# KiCad board SweetBusinessRGBCore.kicad_pcb
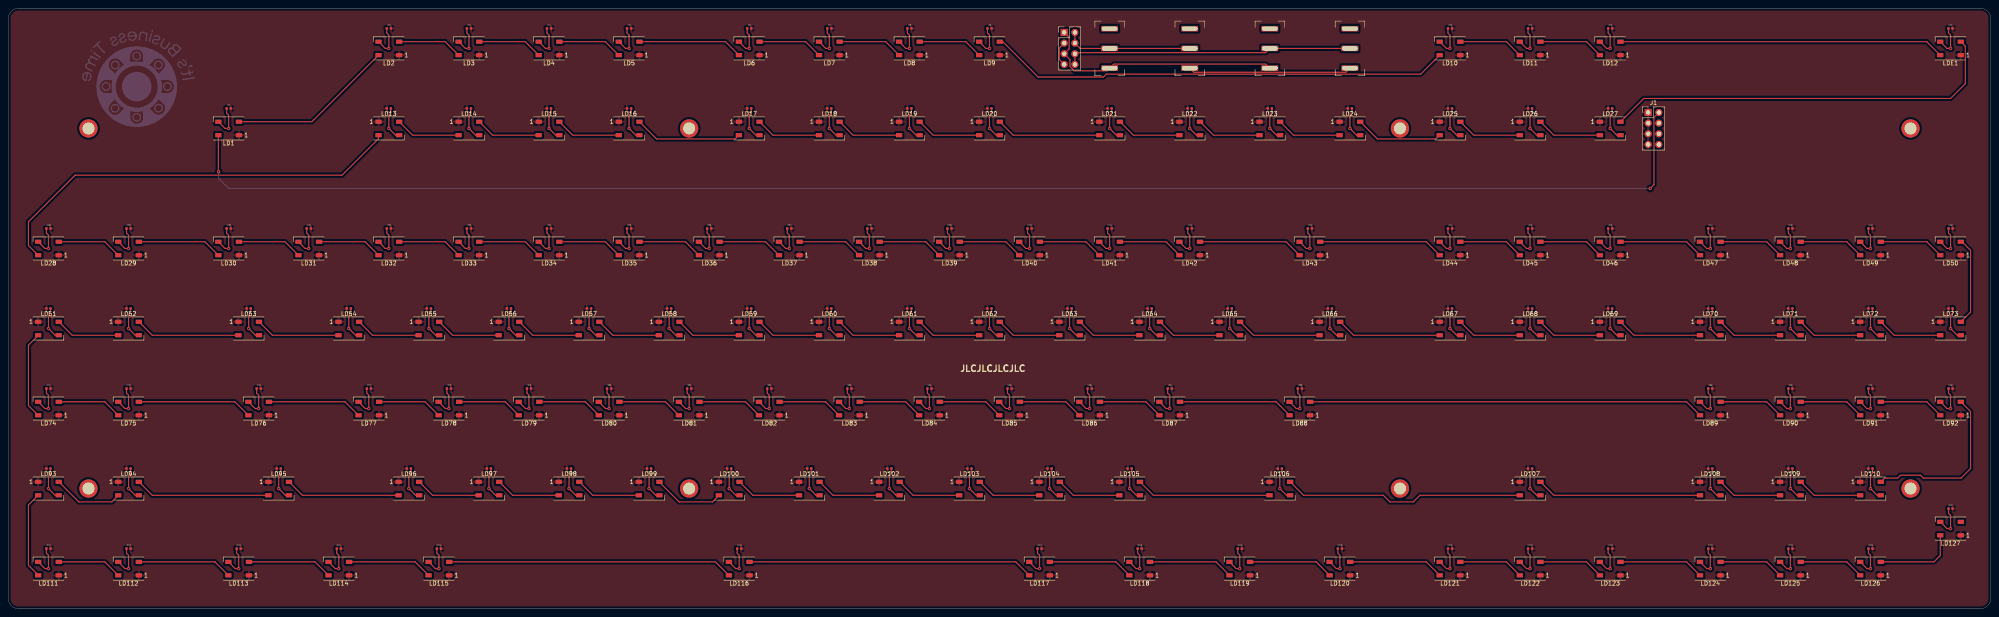
[diagram p0: board, top side]
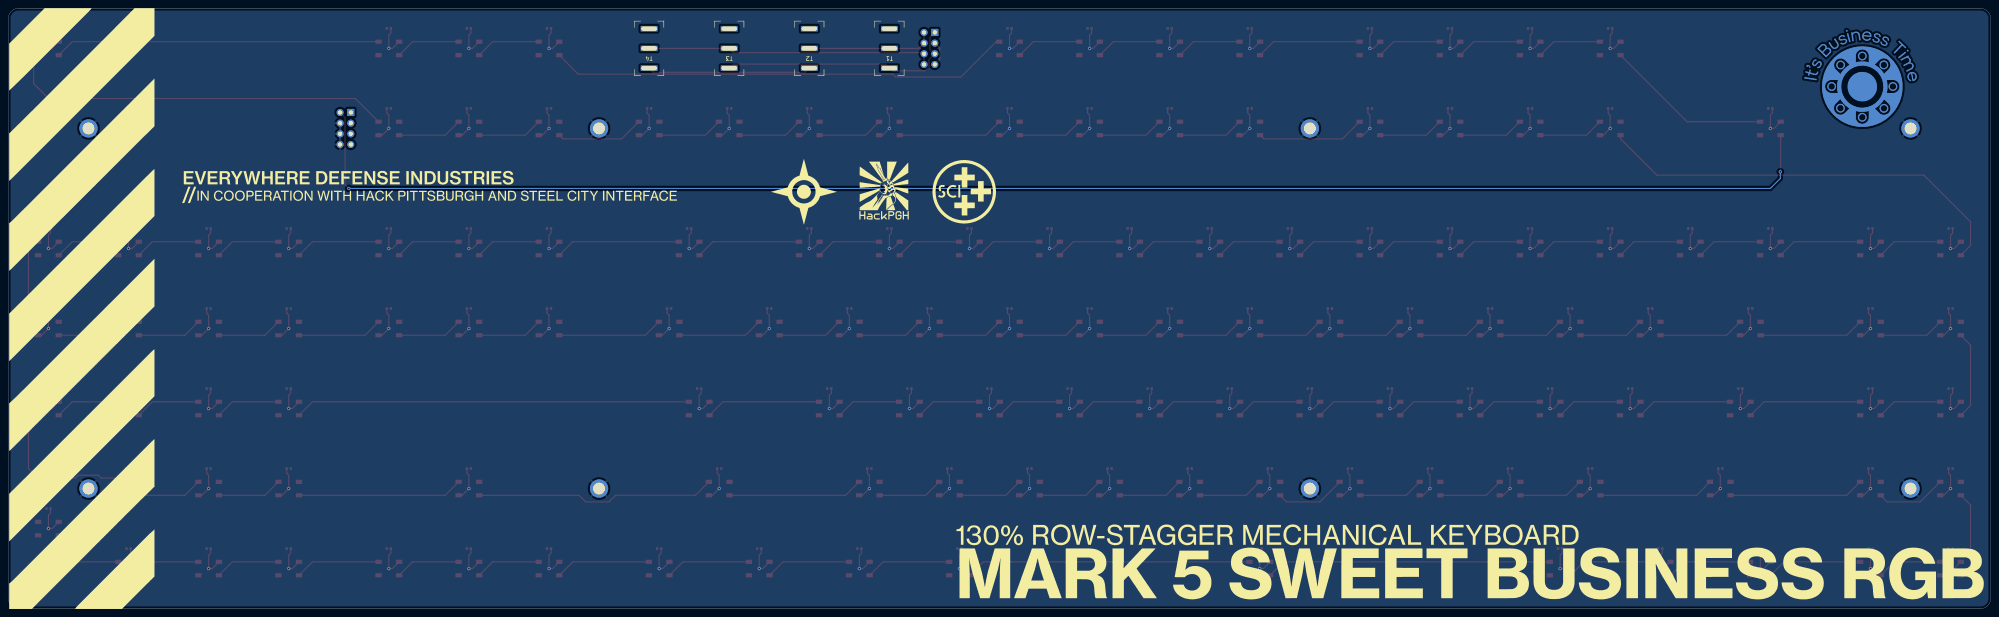
[diagram p1: board, bottom side, seen from below]

Outline 471.49 x 142.88 mm; copper layers: Top, Bottom. Coordinates in mm from the lower left corner of the outline.
Outline path: 0,140.49 arc(0.7,142.18) 2.38,142.88 469.11,142.88 arc(470.79,142.18) 471.49,140.49 471.49,2.38 arc(470.79,0.7) 469.11,0 2.38,0 arc(0.7,0.7) 0,2.38 0,140.49
Stack: Top 0.035mm / dielectric 1.51mm FR4 er 4.5 / Bottom 0.035mm

## Placement (name value [footprint] x y rotation side)
G1  LOGO  [sweethaz]  454.02 71.44 180 bottom
G2  LOGO  [EDI-HP-SCI]  333.38 99.22 180 bottom
G3  LOGO  [mk5-sweetbiz-rgb]  123.82 9.52 180 bottom
G***  LOGO  [BusinessTime]  29.82 126.83 180 bottom
H1  MountingHole_Pad  [SolderableHole-M2]  19.05 114.3 0 top
H2  MountingHole_Pad  [SolderableHole-M2]  161.93 114.3 0 top
H3  MountingHole_Pad  [SolderableHole-M2]  330.99 114.3 0 top
H4  MountingHole_Pad  [SolderableHole-M2]  452.44 114.3 0 top
H5  MountingHole_Pad  [SolderableHole-M2]  19.05 28.57 0 top
H6  MountingHole_Pad  [SolderableHole-M2]  161.93 28.57 0 top
H7  MountingHole_Pad  [SolderableHole-M2]  330.99 28.57 0 top
H8  MountingHole_Pad  [SolderableHole-M2]  452.44 28.57 0 top
J1  Bridge  [PinHeader_2x04_P2.54mm_Vertical]  390.04 118.1 0 top
J2  Toggle Link  [PinHeader_2x04_P2.54mm_Vertical]  251.14 137.15 0 top
LC1  100nF  [Passive_0402_1005Metric]  52.39 119.06 0 top
LC2  100nF  [Passive_0402_1005Metric]  90.49 138.11 0 top
LC3  100nF  [Passive_0402_1005Metric]  109.54 138.11 0 top
LC4  100nF  [Passive_0402_1005Metric]  128.59 138.11 0 top
LC5  100nF  [Passive_0402_1005Metric]  147.64 138.11 0 top
LC6  100nF  [Passive_0402_1005Metric]  176.21 138.11 0 top
LC7  100nF  [Passive_0402_1005Metric]  195.26 138.11 0 top
LC8  100nF  [Passive_0402_1005Metric]  214.31 138.11 0 top
LC9  100nF  [Passive_0402_1005Metric]  233.36 138.11 0 top
LC10  100nF  [Passive_0402_1005Metric]  342.9 138.11 0 top
LC11  100nF  [Passive_0402_1005Metric]  361.95 138.11 0 top
LC12  100nF  [Passive_0402_1005Metric]  381 138.11 0 top
LC13  100nF  [Passive_0402_1005Metric]  90.49 119.06 180 top
LC14  100nF  [Passive_0402_1005Metric]  109.54 119.06 180 top
LC15  100nF  [Passive_0402_1005Metric]  128.59 119.06 180 top
LC16  100nF  [Passive_0402_1005Metric]  147.64 119.06 180 top
LC17  100nF  [Passive_0402_1005Metric]  176.21 119.06 180 top
LC18  100nF  [Passive_0402_1005Metric]  195.26 119.06 180 top
LC19  100nF  [Passive_0402_1005Metric]  214.31 119.06 180 top
LC20  100nF  [Passive_0402_1005Metric]  233.36 119.06 180 top
LC21  100nF  [Passive_0402_1005Metric]  261.94 119.06 180 top
LC22  100nF  [Passive_0402_1005Metric]  280.99 119.06 180 top
LC23  100nF  [Passive_0402_1005Metric]  300.04 119.06 180 top
LC24  100nF  [Passive_0402_1005Metric]  319.09 119.06 180 top
LC25  100nF  [Passive_0402_1005Metric]  342.9 119.06 180 top
LC26  100nF  [Passive_0402_1005Metric]  361.95 119.06 180 top
LC27  100nF  [Passive_0402_1005Metric]  381 119.06 180 top
LC28  100nF  [Passive_0402_1005Metric]  9.52 90.49 0 top
LC29  100nF  [Passive_0402_1005Metric]  28.58 90.49 0 top
LC30  100nF  [Passive_0402_1005Metric]  52.39 90.49 0 top
LC31  100nF  [Passive_0402_1005Metric]  71.44 90.49 0 top
LC32  100nF  [Passive_0402_1005Metric]  90.49 90.49 0 top
LC33  100nF  [Passive_0402_1005Metric]  109.54 90.49 0 top
LC34  100nF  [Passive_0402_1005Metric]  128.59 90.49 0 top
LC35  100nF  [Passive_0402_1005Metric]  147.64 90.49 0 top
LC36  100nF  [Passive_0402_1005Metric]  166.69 90.49 0 top
LC37  100nF  [Passive_0402_1005Metric]  185.74 90.49 0 top
LC38  100nF  [Passive_0402_1005Metric]  204.79 90.49 0 top
LC39  100nF  [Passive_0402_1005Metric]  223.84 90.49 0 top
LC40  100nF  [Passive_0402_1005Metric]  242.89 90.49 0 top
LC41  100nF  [Passive_0402_1005Metric]  261.94 90.49 0 top
LC42  100nF  [Passive_0402_1005Metric]  280.99 90.49 0 top
LC43  100nF  [Passive_0402_1005Metric]  309.56 90.49 0 top
LC44  100nF  [Passive_0402_1005Metric]  342.9 90.49 0 top
LC45  100nF  [Passive_0402_1005Metric]  361.95 90.49 0 top
LC46  100nF  [Passive_0402_1005Metric]  381 90.49 0 top
LC47  100nF  [Passive_0402_1005Metric]  404.81 90.49 0 top
LC48  100nF  [Passive_0402_1005Metric]  423.86 90.49 0 top
LC49  100nF  [Passive_0402_1005Metric]  442.91 90.49 0 top
LC50  100nF  [Passive_0402_1005Metric]  461.96 90.49 0 top
LC51  100nF  [Passive_0402_1005Metric]  9.52 71.44 180 top
LC52  100nF  [Passive_0402_1005Metric]  28.58 71.44 180 top
LC53  100nF  [Passive_0402_1005Metric]  57.15 71.44 180 top
LC54  100nF  [Passive_0402_1005Metric]  80.96 71.44 180 top
LC55  100nF  [Passive_0402_1005Metric]  100.01 71.44 180 top
LC56  100nF  [Passive_0402_1005Metric]  119.06 71.44 180 top
LC57  100nF  [Passive_0402_1005Metric]  138.11 71.44 180 top
LC58  100nF  [Passive_0402_1005Metric]  157.16 71.44 180 top
LC59  100nF  [Passive_0402_1005Metric]  176.21 71.44 180 top
LC60  100nF  [Passive_0402_1005Metric]  195.26 71.44 180 top
LC61  100nF  [Passive_0402_1005Metric]  214.31 71.44 180 top
LC62  100nF  [Passive_0402_1005Metric]  233.36 71.44 180 top
LC63  100nF  [Passive_0402_1005Metric]  252.41 71.44 180 top
LC64  100nF  [Passive_0402_1005Metric]  271.46 71.44 180 top
LC65  100nF  [Passive_0402_1005Metric]  290.51 71.44 180 top
LC66  100nF  [Passive_0402_1005Metric]  314.32 71.44 180 top
LC67  100nF  [Passive_0402_1005Metric]  342.9 71.44 180 top
LC68  100nF  [Passive_0402_1005Metric]  361.95 71.44 180 top
LC69  100nF  [Passive_0402_1005Metric]  381 71.44 180 top
LC70  100nF  [Passive_0402_1005Metric]  404.81 71.44 180 top
LC71  100nF  [Passive_0402_1005Metric]  423.86 71.44 180 top
LC72  100nF  [Passive_0402_1005Metric]  442.91 71.44 180 top
LC73  100nF  [Passive_0402_1005Metric]  461.96 71.44 180 top
LC74  100nF  [Passive_0402_1005Metric]  9.52 52.39 0 top
LC75  100nF  [Passive_0402_1005Metric]  28.58 52.39 0 top
LC76  100nF  [Passive_0402_1005Metric]  59.53 52.39 0 top
LC77  100nF  [Passive_0402_1005Metric]  85.72 52.39 0 top
LC78  100nF  [Passive_0402_1005Metric]  104.78 52.39 0 top
LC79  100nF  [Passive_0402_1005Metric]  123.82 52.39 0 top
LC80  100nF  [Passive_0402_1005Metric]  142.88 52.39 0 top
LC81  100nF  [Passive_0402_1005Metric]  161.93 52.39 0 top
LC82  100nF  [Passive_0402_1005Metric]  180.97 52.39 0 top
LC83  100nF  [Passive_0402_1005Metric]  200.03 52.39 0 top
LC84  100nF  [Passive_0402_1005Metric]  219.07 52.39 0 top
LC85  100nF  [Passive_0402_1005Metric]  238.12 52.39 0 top
LC86  100nF  [Passive_0402_1005Metric]  257.18 52.39 0 top
LC87  100nF  [Passive_0402_1005Metric]  276.23 52.39 0 top
LC88  100nF  [Passive_0402_1005Metric]  307.18 52.39 0 top
LC89  100nF  [Passive_0402_1005Metric]  404.81 52.39 0 top
LC90  100nF  [Passive_0402_1005Metric]  423.86 52.39 0 top
LC91  100nF  [Passive_0402_1005Metric]  442.91 52.39 0 top
LC92  100nF  [Passive_0402_1005Metric]  461.96 52.39 0 top
LC93  100nF  [Passive_0402_1005Metric]  9.52 33.34 180 top
LC94  100nF  [Passive_0402_1005Metric]  28.58 33.34 180 top
LC95  100nF  [Passive_0402_1005Metric]  64.29 33.34 180 top
LC96  100nF  [Passive_0402_1005Metric]  95.25 33.34 180 top
LC97  100nF  [Passive_0402_1005Metric]  114.3 33.34 180 top
LC98  100nF  [Passive_0402_1005Metric]  133.35 33.34 180 top
LC99  100nF  [Passive_0402_1005Metric]  152.4 33.34 180 top
LC100  100nF  [Passive_0402_1005Metric]  171.45 33.34 180 top
LC101  100nF  [Passive_0402_1005Metric]  190.5 33.34 180 top
LC102  100nF  [Passive_0402_1005Metric]  209.55 33.34 180 top
LC103  100nF  [Passive_0402_1005Metric]  228.6 33.34 180 top
LC104  100nF  [Passive_0402_1005Metric]  247.65 33.34 180 top
LC105  100nF  [Passive_0402_1005Metric]  266.7 33.34 180 top
LC106  100nF  [Passive_0402_1005Metric]  302.42 33.34 180 top
LC107  100nF  [Passive_0402_1005Metric]  361.95 33.34 180 top
LC108  100nF  [Passive_0402_1005Metric]  404.81 33.34 180 top
LC109  100nF  [Passive_0402_1005Metric]  423.86 33.34 180 top
LC110  100nF  [Passive_0402_1005Metric]  442.91 33.34 180 top
LC111  100nF  [Passive_0402_1005Metric]  9.52 14.29 0 top
LC112  100nF  [Passive_0402_1005Metric]  28.58 14.29 0 top
LC113  100nF  [Passive_0402_1005Metric]  54.77 14.29 0 top
LC114  100nF  [Passive_0402_1005Metric]  78.58 14.29 0 top
LC115  100nF  [Passive_0402_1005Metric]  102.39 14.29 0 top
LC116  100nF  [Passive_0402_1005Metric]  173.83 14.29 0 top
LC117  100nF  [Passive_0402_1005Metric]  245.27 14.29 0 top
LC118  100nF  [Passive_0402_1005Metric]  269.08 14.29 0 top
LC119  100nF  [Passive_0402_1005Metric]  292.89 14.29 0 top
LC120  100nF  [Passive_0402_1005Metric]  316.71 14.29 0 top
LC121  100nF  [Passive_0402_1005Metric]  342.9 14.29 0 top
LC122  100nF  [Passive_0402_1005Metric]  361.95 14.29 0 top
LC123  100nF  [Passive_0402_1005Metric]  381 14.29 0 top
LC124  100nF  [Passive_0402_1005Metric]  404.81 14.29 0 top
LC125  100nF  [Passive_0402_1005Metric]  423.86 14.29 0 top
LC126  100nF  [Passive_0402_1005Metric]  442.91 14.29 0 top
LC127  100nF  [Passive_0402_1005Metric]  461.96 23.81 0 top
LCE1  100nF  [Passive_0402_1005Metric]  461.94 138.11 0 top
LD1  WS2812C-2020  [LED_WS2812B_PLCC4_5.0x5.0mm_P3.2mm]  52.39 114.3 180 top
LD2  WS2812C-2020  [LED_WS2812B_PLCC4_5.0x5.0mm_P3.2mm]  90.49 133.35 180 top
LD3  WS2812C-2020  [LED_WS2812B_PLCC4_5.0x5.0mm_P3.2mm]  109.54 133.35 180 top
LD4  WS2812C-2020  [LED_WS2812B_PLCC4_5.0x5.0mm_P3.2mm]  128.59 133.35 180 top
LD5  WS2812C-2020  [LED_WS2812B_PLCC4_5.0x5.0mm_P3.2mm]  147.64 133.35 180 top
LD6  WS2812C-2020  [LED_WS2812B_PLCC4_5.0x5.0mm_P3.2mm]  176.21 133.35 180 top
LD7  WS2812C-2020  [LED_WS2812B_PLCC4_5.0x5.0mm_P3.2mm]  195.26 133.35 180 top
LD8  WS2812C-2020  [LED_WS2812B_PLCC4_5.0x5.0mm_P3.2mm]  214.31 133.35 180 top
LD9  WS2812C-2020  [LED_WS2812B_PLCC4_5.0x5.0mm_P3.2mm]  233.36 133.35 180 top
LD10  WS2812C-2020  [LED_WS2812B_PLCC4_5.0x5.0mm_P3.2mm]  342.9 133.35 180 top
LD11  WS2812C-2020  [LED_WS2812B_PLCC4_5.0x5.0mm_P3.2mm]  361.95 133.35 180 top
LD12  WS2812C-2020  [LED_WS2812B_PLCC4_5.0x5.0mm_P3.2mm]  381 133.35 180 top
LD13  WS2812C-2020  [LED_WS2812B_PLCC4_5.0x5.0mm_P3.2mm]  90.49 114.3 0 top
LD14  WS2812C-2020  [LED_WS2812B_PLCC4_5.0x5.0mm_P3.2mm]  109.54 114.3 0 top
LD15  WS2812C-2020  [LED_WS2812B_PLCC4_5.0x5.0mm_P3.2mm]  128.59 114.3 0 top
LD16  WS2812C-2020  [LED_WS2812B_PLCC4_5.0x5.0mm_P3.2mm]  147.64 114.3 0 top
LD17  WS2812C-2020  [LED_WS2812B_PLCC4_5.0x5.0mm_P3.2mm]  176.21 114.3 0 top
LD18  WS2812C-2020  [LED_WS2812B_PLCC4_5.0x5.0mm_P3.2mm]  195.26 114.3 0 top
LD19  WS2812C-2020  [LED_WS2812B_PLCC4_5.0x5.0mm_P3.2mm]  214.31 114.3 0 top
LD20  WS2812C-2020  [LED_WS2812B_PLCC4_5.0x5.0mm_P3.2mm]  233.36 114.3 0 top
LD21  WS2812C-2020  [LED_WS2812B_PLCC4_5.0x5.0mm_P3.2mm]  261.94 114.3 0 top
LD22  WS2812C-2020  [LED_WS2812B_PLCC4_5.0x5.0mm_P3.2mm]  280.99 114.3 0 top
LD23  WS2812C-2020  [LED_WS2812B_PLCC4_5.0x5.0mm_P3.2mm]  300.04 114.3 0 top
LD24  WS2812C-2020  [LED_WS2812B_PLCC4_5.0x5.0mm_P3.2mm]  319.09 114.3 0 top
LD25  WS2812C-2020  [LED_WS2812B_PLCC4_5.0x5.0mm_P3.2mm]  342.9 114.3 0 top
LD26  WS2812C-2020  [LED_WS2812B_PLCC4_5.0x5.0mm_P3.2mm]  361.95 114.3 0 top
LD27  WS2812C-2020  [LED_WS2812B_PLCC4_5.0x5.0mm_P3.2mm]  381 114.3 0 top
LD28  WS2812C-2020  [LED_WS2812B_PLCC4_5.0x5.0mm_P3.2mm]  9.52 85.72 180 top
LD29  WS2812C-2020  [LED_WS2812B_PLCC4_5.0x5.0mm_P3.2mm]  28.58 85.72 180 top
LD30  WS2812C-2020  [LED_WS2812B_PLCC4_5.0x5.0mm_P3.2mm]  52.39 85.72 180 top
LD31  WS2812C-2020  [LED_WS2812B_PLCC4_5.0x5.0mm_P3.2mm]  71.44 85.72 180 top
LD32  WS2812C-2020  [LED_WS2812B_PLCC4_5.0x5.0mm_P3.2mm]  90.49 85.72 180 top
LD33  WS2812C-2020  [LED_WS2812B_PLCC4_5.0x5.0mm_P3.2mm]  109.54 85.72 180 top
LD34  WS2812C-2020  [LED_WS2812B_PLCC4_5.0x5.0mm_P3.2mm]  128.59 85.72 180 top
LD35  WS2812C-2020  [LED_WS2812B_PLCC4_5.0x5.0mm_P3.2mm]  147.64 85.72 180 top
LD36  WS2812C-2020  [LED_WS2812B_PLCC4_5.0x5.0mm_P3.2mm]  166.69 85.72 180 top
LD37  WS2812C-2020  [LED_WS2812B_PLCC4_5.0x5.0mm_P3.2mm]  185.74 85.72 180 top
LD38  WS2812C-2020  [LED_WS2812B_PLCC4_5.0x5.0mm_P3.2mm]  204.79 85.72 180 top
LD39  WS2812C-2020  [LED_WS2812B_PLCC4_5.0x5.0mm_P3.2mm]  223.84 85.72 180 top
LD40  WS2812C-2020  [LED_WS2812B_PLCC4_5.0x5.0mm_P3.2mm]  242.89 85.72 180 top
LD41  WS2812C-2020  [LED_WS2812B_PLCC4_5.0x5.0mm_P3.2mm]  261.94 85.72 180 top
LD42  WS2812C-2020  [LED_WS2812B_PLCC4_5.0x5.0mm_P3.2mm]  280.99 85.72 180 top
LD43  WS2812C-2020  [LED_WS2812B_PLCC4_5.0x5.0mm_P3.2mm]  309.56 85.72 180 top
LD44  WS2812C-2020  [LED_WS2812B_PLCC4_5.0x5.0mm_P3.2mm]  342.9 85.72 180 top
LD45  WS2812C-2020  [LED_WS2812B_PLCC4_5.0x5.0mm_P3.2mm]  361.95 85.72 180 top
LD46  WS2812C-2020  [LED_WS2812B_PLCC4_5.0x5.0mm_P3.2mm]  381 85.72 180 top
LD47  WS2812C-2020  [LED_WS2812B_PLCC4_5.0x5.0mm_P3.2mm]  404.81 85.72 180 top
LD48  WS2812C-2020  [LED_WS2812B_PLCC4_5.0x5.0mm_P3.2mm]  423.86 85.72 180 top
LD49  WS2812C-2020  [LED_WS2812B_PLCC4_5.0x5.0mm_P3.2mm]  442.91 85.72 180 top
LD50  WS2812C-2020  [LED_WS2812B_PLCC4_5.0x5.0mm_P3.2mm]  461.96 85.72 180 top
LD51  WS2812C-2020  [LED_WS2812B_PLCC4_5.0x5.0mm_P3.2mm]  9.52 66.68 0 top
LD52  WS2812C-2020  [LED_WS2812B_PLCC4_5.0x5.0mm_P3.2mm]  28.58 66.68 0 top
LD53  WS2812C-2020  [LED_WS2812B_PLCC4_5.0x5.0mm_P3.2mm]  57.15 66.68 0 top
LD54  WS2812C-2020  [LED_WS2812B_PLCC4_5.0x5.0mm_P3.2mm]  80.96 66.68 0 top
LD55  WS2812C-2020  [LED_WS2812B_PLCC4_5.0x5.0mm_P3.2mm]  100.01 66.68 0 top
LD56  WS2812C-2020  [LED_WS2812B_PLCC4_5.0x5.0mm_P3.2mm]  119.06 66.68 0 top
LD57  WS2812C-2020  [LED_WS2812B_PLCC4_5.0x5.0mm_P3.2mm]  138.11 66.68 0 top
LD58  WS2812C-2020  [LED_WS2812B_PLCC4_5.0x5.0mm_P3.2mm]  157.16 66.68 0 top
LD59  WS2812C-2020  [LED_WS2812B_PLCC4_5.0x5.0mm_P3.2mm]  176.21 66.68 0 top
LD60  WS2812C-2020  [LED_WS2812B_PLCC4_5.0x5.0mm_P3.2mm]  195.26 66.68 0 top
LD61  WS2812C-2020  [LED_WS2812B_PLCC4_5.0x5.0mm_P3.2mm]  214.31 66.68 0 top
LD62  WS2812C-2020  [LED_WS2812B_PLCC4_5.0x5.0mm_P3.2mm]  233.36 66.68 0 top
LD63  WS2812C-2020  [LED_WS2812B_PLCC4_5.0x5.0mm_P3.2mm]  252.41 66.68 0 top
LD64  WS2812C-2020  [LED_WS2812B_PLCC4_5.0x5.0mm_P3.2mm]  271.46 66.68 0 top
LD65  WS2812C-2020  [LED_WS2812B_PLCC4_5.0x5.0mm_P3.2mm]  290.51 66.68 0 top
LD66  WS2812C-2020  [LED_WS2812B_PLCC4_5.0x5.0mm_P3.2mm]  314.32 66.68 0 top
LD67  WS2812C-2020  [LED_WS2812B_PLCC4_5.0x5.0mm_P3.2mm]  342.9 66.68 0 top
LD68  WS2812C-2020  [LED_WS2812B_PLCC4_5.0x5.0mm_P3.2mm]  361.95 66.68 0 top
LD69  WS2812C-2020  [LED_WS2812B_PLCC4_5.0x5.0mm_P3.2mm]  381 66.68 0 top
LD70  WS2812C-2020  [LED_WS2812B_PLCC4_5.0x5.0mm_P3.2mm]  404.81 66.68 0 top
LD71  WS2812C-2020  [LED_WS2812B_PLCC4_5.0x5.0mm_P3.2mm]  423.86 66.68 0 top
LD72  WS2812C-2020  [LED_WS2812B_PLCC4_5.0x5.0mm_P3.2mm]  442.91 66.68 0 top
LD73  WS2812C-2020  [LED_WS2812B_PLCC4_5.0x5.0mm_P3.2mm]  461.96 66.68 0 top
LD74  WS2812C-2020  [LED_WS2812B_PLCC4_5.0x5.0mm_P3.2mm]  9.52 47.62 180 top
LD75  WS2812C-2020  [LED_WS2812B_PLCC4_5.0x5.0mm_P3.2mm]  28.58 47.62 180 top
LD76  WS2812C-2020  [LED_WS2812B_PLCC4_5.0x5.0mm_P3.2mm]  59.53 47.62 180 top
LD77  WS2812C-2020  [LED_WS2812B_PLCC4_5.0x5.0mm_P3.2mm]  85.72 47.62 180 top
LD78  WS2812C-2020  [LED_WS2812B_PLCC4_5.0x5.0mm_P3.2mm]  104.78 47.62 180 top
LD79  WS2812C-2020  [LED_WS2812B_PLCC4_5.0x5.0mm_P3.2mm]  123.82 47.62 180 top
LD80  WS2812C-2020  [LED_WS2812B_PLCC4_5.0x5.0mm_P3.2mm]  142.88 47.62 180 top
LD81  WS2812C-2020  [LED_WS2812B_PLCC4_5.0x5.0mm_P3.2mm]  161.93 47.62 180 top
LD82  WS2812C-2020  [LED_WS2812B_PLCC4_5.0x5.0mm_P3.2mm]  180.97 47.62 180 top
LD83  WS2812C-2020  [LED_WS2812B_PLCC4_5.0x5.0mm_P3.2mm]  200.03 47.62 180 top
LD84  WS2812C-2020  [LED_WS2812B_PLCC4_5.0x5.0mm_P3.2mm]  219.07 47.62 180 top
LD85  WS2812C-2020  [LED_WS2812B_PLCC4_5.0x5.0mm_P3.2mm]  238.12 47.62 180 top
LD86  WS2812C-2020  [LED_WS2812B_PLCC4_5.0x5.0mm_P3.2mm]  257.18 47.62 180 top
LD87  WS2812C-2020  [LED_WS2812B_PLCC4_5.0x5.0mm_P3.2mm]  276.23 47.62 180 top
LD88  WS2812C-2020  [LED_WS2812B_PLCC4_5.0x5.0mm_P3.2mm]  307.18 47.62 180 top
LD89  WS2812C-2020  [LED_WS2812B_PLCC4_5.0x5.0mm_P3.2mm]  404.81 47.62 180 top
LD90  WS2812C-2020  [LED_WS2812B_PLCC4_5.0x5.0mm_P3.2mm]  423.86 47.62 180 top
LD91  WS2812C-2020  [LED_WS2812B_PLCC4_5.0x5.0mm_P3.2mm]  442.91 47.62 180 top
LD92  WS2812C-2020  [LED_WS2812B_PLCC4_5.0x5.0mm_P3.2mm]  461.96 47.62 180 top
LD93  WS2812C-2020  [LED_WS2812B_PLCC4_5.0x5.0mm_P3.2mm]  9.52 28.57 0 top
LD94  WS2812C-2020  [LED_WS2812B_PLCC4_5.0x5.0mm_P3.2mm]  28.58 28.57 0 top
LD95  WS2812C-2020  [LED_WS2812B_PLCC4_5.0x5.0mm_P3.2mm]  64.29 28.57 0 top
LD96  WS2812C-2020  [LED_WS2812B_PLCC4_5.0x5.0mm_P3.2mm]  95.25 28.57 0 top
LD97  WS2812C-2020  [LED_WS2812B_PLCC4_5.0x5.0mm_P3.2mm]  114.3 28.57 0 top
LD98  WS2812C-2020  [LED_WS2812B_PLCC4_5.0x5.0mm_P3.2mm]  133.35 28.57 0 top
LD99  WS2812C-2020  [LED_WS2812B_PLCC4_5.0x5.0mm_P3.2mm]  152.4 28.57 0 top
LD100  WS2812C-2020  [LED_WS2812B_PLCC4_5.0x5.0mm_P3.2mm]  171.45 28.57 0 top
LD101  WS2812C-2020  [LED_WS2812B_PLCC4_5.0x5.0mm_P3.2mm]  190.5 28.57 0 top
LD102  WS2812C-2020  [LED_WS2812B_PLCC4_5.0x5.0mm_P3.2mm]  209.55 28.57 0 top
LD103  WS2812C-2020  [LED_WS2812B_PLCC4_5.0x5.0mm_P3.2mm]  228.6 28.57 0 top
LD104  WS2812C-2020  [LED_WS2812B_PLCC4_5.0x5.0mm_P3.2mm]  247.65 28.57 0 top
LD105  WS2812C-2020  [LED_WS2812B_PLCC4_5.0x5.0mm_P3.2mm]  266.7 28.57 0 top
LD106  WS2812C-2020  [LED_WS2812B_PLCC4_5.0x5.0mm_P3.2mm]  302.42 28.57 0 top
LD107  WS2812C-2020  [LED_WS2812B_PLCC4_5.0x5.0mm_P3.2mm]  361.95 28.57 0 top
LD108  WS2812C-2020  [LED_WS2812B_PLCC4_5.0x5.0mm_P3.2mm]  404.81 28.57 0 top
LD109  WS2812C-2020  [LED_WS2812B_PLCC4_5.0x5.0mm_P3.2mm]  423.86 28.57 0 top
LD110  WS2812C-2020  [LED_WS2812B_PLCC4_5.0x5.0mm_P3.2mm]  442.91 28.57 0 top
LD111  WS2812C-2020  [LED_WS2812B_PLCC4_5.0x5.0mm_P3.2mm]  9.52 9.52 180 top
LD112  WS2812C-2020  [LED_WS2812B_PLCC4_5.0x5.0mm_P3.2mm]  28.58 9.52 180 top
LD113  WS2812C-2020  [LED_WS2812B_PLCC4_5.0x5.0mm_P3.2mm]  54.77 9.52 180 top
LD114  WS2812C-2020  [LED_WS2812B_PLCC4_5.0x5.0mm_P3.2mm]  78.58 9.52 180 top
LD115  WS2812C-2020  [LED_WS2812B_PLCC4_5.0x5.0mm_P3.2mm]  102.39 9.52 180 top
LD116  WS2812C-2020  [LED_WS2812B_PLCC4_5.0x5.0mm_P3.2mm]  173.83 9.52 180 top
LD117  WS2812C-2020  [LED_WS2812B_PLCC4_5.0x5.0mm_P3.2mm]  245.27 9.52 180 top
LD118  WS2812C-2020  [LED_WS2812B_PLCC4_5.0x5.0mm_P3.2mm]  269.08 9.52 180 top
LD119  WS2812C-2020  [LED_WS2812B_PLCC4_5.0x5.0mm_P3.2mm]  292.89 9.52 180 top
LD120  WS2812C-2020  [LED_WS2812B_PLCC4_5.0x5.0mm_P3.2mm]  316.71 9.52 180 top
LD121  WS2812C-2020  [LED_WS2812B_PLCC4_5.0x5.0mm_P3.2mm]  342.9 9.52 180 top
LD122  WS2812C-2020  [LED_WS2812B_PLCC4_5.0x5.0mm_P3.2mm]  361.95 9.52 180 top
LD123  WS2812C-2020  [LED_WS2812B_PLCC4_5.0x5.0mm_P3.2mm]  381 9.52 180 top
LD124  WS2812C-2020  [LED_WS2812B_PLCC4_5.0x5.0mm_P3.2mm]  404.81 9.52 180 top
LD125  WS2812C-2020  [LED_WS2812B_PLCC4_5.0x5.0mm_P3.2mm]  423.86 9.52 180 top
LD126  WS2812C-2020  [LED_WS2812B_PLCC4_5.0x5.0mm_P3.2mm]  442.91 9.52 180 top
LD127  WS2812C-2020  [LED_WS2812B_PLCC4_5.0x5.0mm_P3.2mm]  461.96 19.05 180 top
LDE1  WS2812C-2020  [LED_WS2812B_PLCC4_5.0x5.0mm_P3.2mm]  461.95 133.35 180 top
T1  Keyswitch  [T8013-Z1BQ]  261.94 133.35 180 top
T2  Keyswitch  [T8013-Z1BQ]  280.99 133.35 180 top
T3  Keyswitch  [T8013-Z1BQ]  300.04 133.35 180 top
T4  Keyswitch  [T8013-Z1BQ]  319.09 133.35 180 top

## Library data of the parts
LC1-LC127 LCE1 = -: LCSC: C307331
LD1-LD127 LDE1 = -: LCSC: C965556

## Footprints (pads in the part's own frame, mm; a bottom-side part is the same pattern mirrored in y, then rotated)
LED_WS2812B_PLCC4_5.0x5.0mm_P3.2mm
  rect 1.5x1 smd: 1(-2.45,1.6) 2(-2.45,-1.6) 3(2.45,-1.6) 4(2.45,1.6)
Passive_0402_1005Metric
  rrect 0.59x0.64 smd: 1(-0.485,0) 2(0.485,0)
PinHeader_2x04_P2.54mm_Vertical
  rect 1.7x1.7 hole 1: 1(0,0)
  oval 1.7x1.7 hole 1: 2(2.54,0) 3(0,-2.54) 4(2.54,-2.54) 5(0,-5.08) 6(2.54,-5.08) 7(0,-7.62) 8(2.54,-7.62)
SolderableHole-M2
  round 4.35 hole 2.8: 1(0,0)
T8013-Z1BQ
  rect 4x1.3 hole 3.7x1: 1(0,4.7) 2(0,0) 3(0,-4.7)
